# Altium PCB DM2080.PcbDoc (part 1 of 3) (continued)
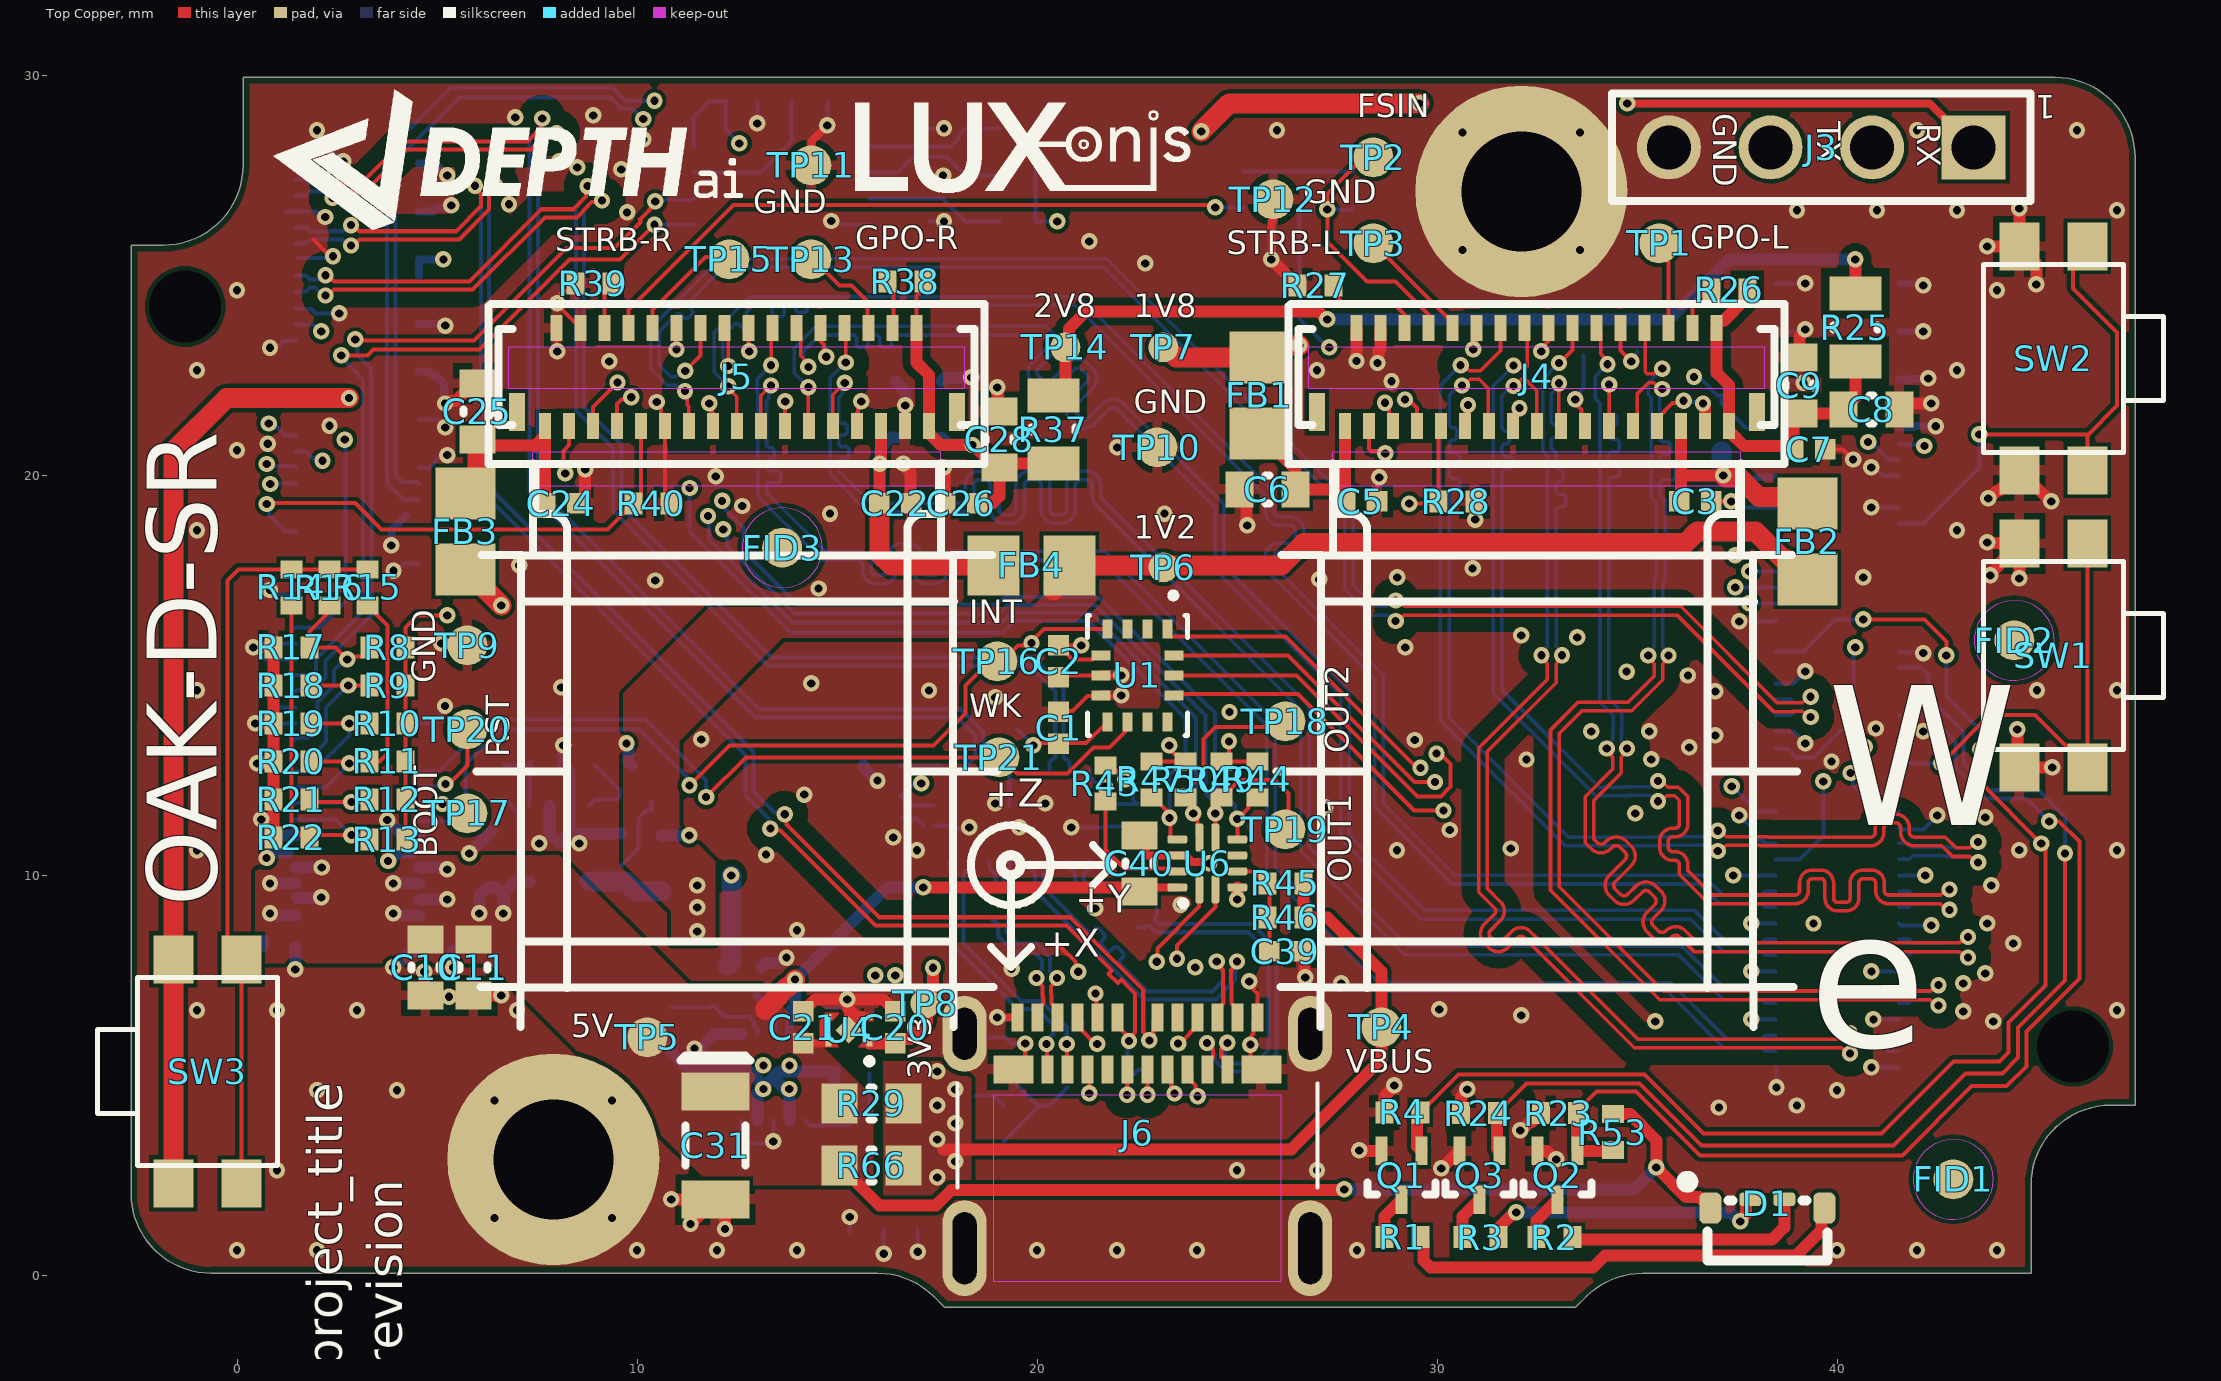
[diagram p0: Top Copper view]
## Components (designator, comment, footprint, x,y, rotation, side; value= is the part's Value field where it differs from the comment) (continued)
MH1 "9774030943R" 9774030943R 32.1,27.1 r45 bottom locked
MH2 "9774030943R" 9774030943R 7.9,2.9 r45 bottom locked
Q1 "RE1C002UNTCL" RE1C002UNTCL 29.1,2.5 r180 top
Q2 "RE1C002UNTCL" RE1C002UNTCL 33,2.5 r180 top
Q3 "RE1C002UNTCL" RE1C002UNTCL 31.05,2.5 r180 top
Q4 "NTJS4151PT1G" ONSC-SC70-6-419B-02_W_V 20.1,2.7 r0 bottom
R1 "1K 0402" RESC0402(1005)_L 29.125,0.954 r0 top
R2 "1K 0402" RESC0402(1005)_L 32.925,0.954 r0 top
R3 "1K 0402" RESC0402(1005)_L 31.075,0.954 r0 top
R4 "100K 0402" RESC0402(1005)_L 29.125,4.075 r180 top
R5 "0R 0402" RESC0402(1005)_L 27.9,27.15 r90 bottom
R6 "0R 0402" RESC0402(1005)_L 25.15,27.15 r90 bottom
R7 "22R 0402" RESC0402(1005)_L 26.55,27.15 r270 bottom
R8 "10K 0402" RESC0402(1005)_L 3.75,15.7 r0 top
R9 "10K 0402" RESC0402(1005)_L 3.75,14.75 r0 top
R10 "10K 0402" RESC0402(1005)_L 3.75,13.8 r0 top
R11 "10K 0402" RESC0402(1005)_L 3.75,12.85 r0 top
R12 "10K 0402" RESC0402(1005)_L 3.75,11.9 r0 top
R13 "10K 0402" RESC0402(1005)_L 3.75,10.9 r0 top
R14 "0R 0402" RESC0402(1005)_L 1.35,17.2 r270 top
R15 "0R 0402" RESC0402(1005)_L 3.25,17.2 r270 top
R16 "0R 0402" RESC0402(1005)_L 2.3,17.2 r270 top
R17 "10K 0402" RESC0402(1005)_L 1.35,15.7 r0 top
R18 "10K 0402" RESC0402(1005)_L 1.35,14.75 r0 top
R19 "10K 0402" RESC0402(1005)_L 1.35,13.8 r0 top
R20 "10K 0402" RESC0402(1005)_L 1.35,12.85 r0 top
R21 "10K 0402" RESC0402(1005)_L 1.35,11.9 r0 top
R22 "10K 0402" RESC0402(1005)_L 1.35,10.95 r0 top
R23 "100K 0402" RESC0402(1005)_L 33.037,4.059 r180 top
R24 "100K 0402" RESC0402(1005)_L 31.037,4.059 r180 top
R25 "0R 0805" RESC0805(2012)_L 40.45,23.7 r270 top
R26 "10K 0402" RESC0402(1005)_L 37.3,24.65 r180 top
R27 "10K 0402" RESC0402(1005)_L 26.95,24.75 r180 top
R28 "10K 0402" RESC0402(1005)_L 30.478,19.35 r0 top
R29 "0R 0603" RESC0603(1608)_N 15.85,4.3 r180 top
R30 "10K 0402" RESC0402(1005)_L 6.5,12.35 r270 bottom
R31 "ERJ-2RKF1782X" RESC0402(1005)_L 10,11.9 r0 bottom
R32 "10K 0402" RESC0402(1005)_L 9.4,12.75 r180 bottom
R33 "RC0402FR-0712KL" RESC0402(1005)_L 15.8,5.5 r90 bottom
R34 "5.11K 0402" RESC0402(1005)_L 15.35,4.25 r180 bottom
R35 "RC0402FR-0726K1L" RESC0402(1005)_L 11.85,7.2 r90 bottom
R36 "RC0402FR-076K19L" RESC0402(1005)_L 10.85,6.25 r270 bottom
R37 "0R 0805" RESC0805(2012)_L 20.4,21.15 r270 top
R38 "10K 0402" RESC0402(1005)_L 16.7,24.85 r180 top
R39 "10K 0402" RESC0402(1005)_L 8.9,24.8 r180 top
R40 "10K 0402" RESC0402(1005)_L 10.35,19.3 r0 top
R41 "10K 0402" RESC0402(1005)_L 15.31,1.54 r90 bottom
R42 "10K 0402" RESC0402(1005)_L 16.1,12.75 r180 bottom
R43 "10K 0402" RESC0402(1005)_L 21.7,12.3 r90 top
R44 "10K 0402" RESC0402(1005)_L 25.5,12.4 r90 top
R45 "1.8MR 0402" RESC0402(1005)_L 26.2,9.8 r180 top
R46 "1.8MR 0402" RESC0402(1005)_L 26.2,8.95 r180 top
R47 "10K 0402" RESC0402(1005)_L 22.85,12.4 r90 top
R48 "0R 0603" RESC0603(1608)_N 22.25,2.45 r270 bottom
R49 "10K 0402" RESC0402(1005)_L 24.6,12.4 r90 top
R50 "10K 0402" RESC0402(1005)_L 23.7,12.4 r90 top
R51 "470R 0402" RESC0402(1005)_L 19.6,4.25 r180 bottom
R52 "17.8K 0402" RESC0402(1005)_L 19.2,5.5 r270 bottom
R53 "100K 0402" RESC0402(1005)_L 34.387,3.584 r270 top
R59 "10K 0402" RESC0402(1005)_L 19.5,28.675 r0 bottom
R60 "10K 0402" RESC0402(1005)_L 19.5,27.5 r0 bottom
R61 "10K 0402" RESC0402(1005)_L 19.5,26.35 r0 bottom
R62 "1K 0402" RESC0402(1005)_L 14.3,29.35 r180 bottom
R63 "10K 0402" RESC0402(1005)_L 17.75,28.675 r0 bottom
R64 "10K 0402" RESC0402(1005)_L 17.75,27.5 r0 bottom
R65 "10K 0402" RESC0402(1005)_L 17.75,26.35 r0 bottom
R66 "0R 0603" RESC0603(1608)_N 15.85,2.75 r180 top
SW1 "434331045822" 434331045822 45.4,15.5 r90 top locked
SW2 "434331045822" 434331045822 45.4,22.925 r90 top locked
SW3 "434331045822" 434331045822 -0.75,5.1 r270 top locked
TP1 "TP100_200_NS" TP100_200_NS 35.55,25.8 r270 top
TP2 "TP100_200_NS" TP100_200_NS 28.4,27.95 r90 top
TP3 "TP100_200_NS" TP100_200_NS 28.4,25.8 r270 top
TP4 "TP100_200_NS" TP100_200_NS 28.6,6.2 r270 top
TP5 "TP100_200_NS" TP100_200_NS 10.25,5.95 r270 top
TP6 "TP075_150_NS" TP075_150_NS 23.15,17.7 r180 top
TP7 "TP075_150_NS" TP075_150_NS 23.15,23.2 r270 top
TP8 "TP075_150_NS" TP075_150_NS 17.2,6.8 r180 top
TP9 "TP100_200_NS" TP100_200_NS 5.75,15.75 r180 top
TP10 "TP100_200_NS" TP100_200_NS 23,20.7 r180 top
TP11 "TP100_200_NS" TP100_200_NS 14.35,27.75 r0 top
TP12 "TP100_200_NS" TP100_200_NS 25.9,26.9 r90 top
TP13 "TP100_200_NS" TP100_200_NS 14.35,25.4 r0 top
TP14 "TP075_150_NS" TP075_150_NS 20.7,23.2 r180 top
TP15 "TP100_200_NS" TP100_200_NS 12.3,25.4 r270 top
TP16 "TP100_200_NS" TP100_200_NS 19,15.35 r270 top
TP17 "TP100_200_NS" TP100_200_NS 5.75,11.55 r270 top
TP18 "TP100_200_NS" TP100_200_NS 26.2,13.85 r0 top
TP19 "TP100_200_NS" TP100_200_NS 26.2,11.15 r0 top
TP20 "TP100_200_NS" TP100_200_NS 5.75,13.65 r270 top
TP21 "TP100_200_NS" TP100_200_NS 19.05,12.95 r270 top
U1 "BMI270" XDCR_BMI270 22.5,15 r270 top
U2 "TLV62080DSG" TLV62080DSG 8.05,10.8 r270 bottom
U3 "TLV75201PDSQR" SON_1PDSQR_TEX 13.4,4.95 r90 bottom
U4 "NCP114AMX330TCG" DQN0004A_V 15.295,6.13 r180 top
U5 "USB Type-C Switch" CBTL02043A 19.55,11.5 r270 bottom
U6 "USB Type-C Port Control" PTN5150H 24.25,10.3 r180 top
U8 "24AA32A-I/MS 8-MSOP" 24AA32A-I/MS 13.6,27.25 r180 bottom

## Footprints (in the part's own frame and the unit in brackets; to place one, negate y for a bottom-side part, rotate by r counter-clockwise, add the part's x,y. Pads: shape width x height; smd on the part's side, far side on the other; paste and mask are expansions set on the pad)
24AA32A-I/MS [mm] "Body: 3 x 3mm, pitch: 0.65mm"
  rect 1.4x0.35 smd mask+0.05: 1(-2.2,0.975)
  oval 1.4x0.35 smd mask+0.05: 2(-2.2,0.325) 3(-2.2,-0.325) 4(-2.2,-0.975) 5(2.2,-0.975) 6(2.2,-0.325) 7(2.2,0.325) 8(2.2,0.975)
  silkscreen extent -2.33,-1.5 1.2,1.72, body extent -2.45,-1.5 2.45,1.5, height 1.15
105450-0101 [mm] "USB3.1 Type-C Molex SMT, RA, TH"
  rect 0.3x0.7 smd mask+0.05: A1(-3,0.65) A2(-2.5,0.65) A3(-2,0.65) A4(-1.5,0.65) A5(-1,0.65) A6(-0.5,0.65) A7(0.5,0.65) A8(1,0.65) A9(1.5,0.65) A10(2,0.65) A11(2.5,0.65) A12(3,0.65) B2(2.25,-0.65) B3(1.75,-0.65) B4(1.25,-0.65) B5(0.75,-0.65) B6(0.25,-0.65) B7(-0.25,-0.65) B8(-0.75,-0.65) B9(-1.25,-0.65) B10(-1.75,-0.65) B11(-2.25,-0.65)
  rect 1x0.7 smd mask+0.05: B1(3.1,-0.65) B12(-3.1,-0.65)
  oval 1.1x1.9 hole 0.6 slot 1.3 at 90 deg mask+0.05: SH1(-4.32,0.24) SH4(4.32,0.24)
  oval 1.1x2.4 hole 0.6 slot 1.8 at 90 deg mask+0.05: SH2(-4.32,-5.12) SH3(4.32,-5.12)
  Top Copper keep-out region: -3.6,-5.95 3.6,-5.95 3.6,-1.3 -3.6,-1.3
  silkscreen extent -4.5,-3.6 4.5,-1, body extent -4.47,-7.02 4.47,0.88, height 3.2
2508056017Y2 [mm] "2508056017Y2 Chip Inductor, 2-Leads, Body 2.00x1.25mm"
  rect 1.3x1.5 smd: 1(-0.95,0) 2(0.95,0)
  body extent -1.1,-0.72 1.1,0.73, height 1.45
9774030943R [mm] "STANDOFF_2.25mmX0.4_3MM with pad on bottom of PCB"
  round 5.3 / inner round 2.7 / far side round 5.3 hole 3 mask+0.05: 1(0,0)
  body extent -2.17,-2.17 2.18,2.17, height 3.05
61300411121 [mm] "Pin Header, pitch 2.54 mm, THT, Vertical, single row, 4p"
  rect 1.6x1.6 hole 1.1: 1(-3.81,0)
  round 1.6 hole 1.1: 2(-1.27,0) 3(1.27,0) 4(3.81,0)
  silkscreen extent -5.23,-1.35 5.23,1.35, body extent -5.08,-1.27 5.08,1.27, height 8.57
434331045822 [mm] "4.7*3.5mm side push type,SMD, height 1.65mm, black actuator, 220gf, T&R"
  rect 1.2x1 smd: 1(2.8,0.85) 2(2.8,-0.85) 3(-2.8,0.85) 4(-2.8,-0.85)
  silkscreen extent -2.35,-2.75 2.35,1.75, body extent -3.2,-2.75 3.2,1.75, height 1.65
AC-PY003-OV9282 [mm] "connector: FH26W-33S-0.3SHW"
  rect 0.4x0.95 smd mask+0.05: 0(-5.488,-8.984) 0(5.512,-8.984)
  rect 0.3x0.65 smd mask+0.05: 1(4.812,-8.634) 2(4.52,-11.084) 3(4.212,-8.634) 4(3.92,-11.084) 5(3.612,-8.634) 6(3.32,-11.084) 7(3.012,-8.634) 8(2.72,-11.084) 9(2.412,-8.634) 10(2.12,-11.084) 11(1.812,-8.634) 12(1.52,-11.084) 13(1.212,-8.634) 14(0.92,-11.084) 15(0.612,-8.634) 16(0.32,-11.084) 17(0.012,-8.634) 18(-0.28,-11.084) 19(-0.588,-8.634) 20(-0.88,-11.084) 21(-1.188,-8.634) 22(-1.48,-11.084) 23(-1.788,-8.634) 24(-2.08,-11.084) 25(-2.388,-8.634) 26(-2.68,-11.084) 27(-2.988,-8.634) 28(-3.28,-11.084) 29(-3.588,-8.634) 30(-3.88,-11.084) 31(-4.188,-8.634) 32(-4.48,-11.084) 33(-4.788,-8.634)
  Top Copper keep-out region: -5.088,-7.981 5.131,-7.981 5.131,-7.138 -5.088,-7.138
  Top Copper keep-out region: -5.688,-10.602 5.73,-10.602 5.73,-9.573 -5.688,-9.573
  Top Copper keep-out region: -4.2,-4.2 4.3,-4.2 4.3,4.2 -4.2,4.2
  silkscreen extent -6.5,-11.68 6.52,6.39, body extent -5.69,-11.43 5.71,5.1, height 5.6
CAPC0201(0603)33_L [mm] "Chip Capacitor, Body 0.6x0.3mm, Height 0.33mm, IPC High Density"
  rect 0.36x0.32 smd: 1(-0.28,0) 2(0.28,0)
  body extent -0.32,-0.17 0.32,0.17, height 0.33
CAPC0402(1005)60_L [mm] "Chip Capacitor, Body 1.0x0.5mm, Height 0.6mm, IPC High Density"
  rect 0.52x0.52 smd: 1(-0.4,0) 2(0.4,0)
  body extent -0.55,-0.3 0.55,0.3, height 0.6
CAPC0402(1005)70_L [mm] "Chip Capacitor, Body 1.0x0.5mm, Height 0.7mm, IPC High Density"
  rect 0.52x0.52 smd: 1(-0.4,0) 2(0.4,0)
  body extent -0.55,-0.3 0.55,0.3, height 0.7
CAPC0603(1608)100_L [mm] "Chip Capacitor, Body 1.6x0.8mm, Height 1.0mm, IPC High Density"
  rect 0.7x0.9 smd: 1(-0.7,0) 2(0.7,0)
  silkscreen extent -0.05,-0.35 0.05,0.35, body extent -0.87,-0.47 0.88,0.48, height 1
CBTL02043A [mm] "VQFN-20"
  rrect20% 0.25x0.6 smd mask+0.07: 1(-0.25,2.15) 10(-0.25,-2.15) 11(0.25,-2.15) 20(0.25,2.15)
  rrect20% 0.6x0.25 smd mask+0.07: 2(-1.15,1.75) 3(-1.15,1.25) 4(-1.15,0.75) 5(-1.15,0.25) 6(-1.15,-0.25) 7(-1.15,-0.75) 8(-1.15,-1.25) 9(-1.15,-1.75) 12(1.15,-1.75) 13(1.15,-1.25) 14(1.15,-0.75) 15(1.15,-0.25) 16(1.15,0.25) 17(1.15,0.75) 18(1.15,1.25) 19(1.15,1.75)
  rrect10% 1x3 smd paste-3 mask+0.07: 21(0,0)
  silkscreen extent -1.25,-2.25 1.25,2.53, body extent -1.25,-2.25 1.25,2.25, height 1
CON_A_SoM-Pro-KB_DF40HC-3.0-100DS-0.4V_minpad [mm] "3.0MM MATED HEIGHT CONN HDR 100POS 0.4MM SMD GOLD"
  rect 0.7x0.18 smd: 1(-19.04,-9.8) 2(-15.96,-9.8) 3(-19.04,-9.4) 4(-15.96,-9.4) 5(-19.04,-9) 6(-15.96,-9) 7(-19.04,-8.6) 8(-15.96,-8.6) 9(-19.04,-8.2) 10(-15.96,-8.2) 11(-19.04,-7.8) 12(-15.96,-7.8) 13(-19.04,-7.4) 14(-15.96,-7.4) 15(-19.04,-7) 16(-15.96,-7) 17(-19.04,-6.6) 18(-15.96,-6.6) 19(-19.04,-6.2) 20(-15.96,-6.2) 21(-19.04,-5.8) 22(-15.96,-5.8) 23(-19.04,-5.4) 24(-15.96,-5.4) 25(-19.04,-5) 26(-15.96,-5) 27(-19.04,-4.6) 28(-15.96,-4.6) 29(-19.04,-4.2) 30(-15.96,-4.2) 31(-19.04,-3.8) 32(-15.96,-3.8) 33(-19.04,-3.4) 34(-15.96,-3.4) 35(-19.04,-3) 36(-15.96,-3) 37(-19.04,-2.6) 38(-15.96,-2.6) 39(-19.04,-2.2) 40(-15.96,-2.2) 41(-19.04,-1.8) 42(-15.96,-1.8) 43(-19.04,-1.4) 44(-15.96,-1.4) 45(-19.04,-1) 46(-15.96,-1) 47(-19.04,-0.6) 48(-15.96,-0.6) 49(-19.04,-0.2) 50(-15.96,-0.2) 51(-19.04,0.2) 52(-15.96,0.2) 53(-19.04,0.6) 54(-15.96,0.6) 55(-19.04,1) 56(-15.96,1) 57(-19.04,1.4) 58(-15.96,1.4) 59(-19.04,1.8) 60(-15.96,1.8) 61(-19.04,2.2) 62(-15.96,2.2) 63(-19.04,2.6) 64(-15.96,2.6) 65(-19.04,3) 66(-15.96,3) 67(-19.04,3.4) 68(-15.96,3.4) 69(-19.04,3.8) 70(-15.96,3.8) 71(-19.04,4.2) 72(-15.96,4.2) 73(-19.04,4.6) 74(-15.96,4.6) 75(-19.04,5) 76(-15.96,5) 77(-19.04,5.4) 78(-15.96,5.4) 79(-19.04,5.8) 80(-15.96,5.8) 81(-19.04,6.2) 82(-15.96,6.2) 83(-19.04,6.6) 84(-15.96,6.6) 85(-19.04,7) 86(-15.96,7) 87(-19.04,7.4) 88(-15.96,7.4) 89(-19.04,7.8) 90(-15.96,7.8) 91(-19.04,8.2) 92(-15.96,8.2) 93(-19.04,8.6) 94(-15.96,8.6) 95(-19.04,9) 96(-15.96,9) 97(-19.04,9.4) 98(-15.96,9.4) 99(-19.04,9.8) 100(-15.96,9.8)
  silkscreen extent -22.5,-15 -16.85,15, body extent -19.19,-11.3 -15.81,11.3, height 2.85
CON_B_BW2099_SoM_DF40HC-3.0-100DS-0.4V_minpad [mm] "3.0MM MATED HEIGHT CONN HDR 100POS 0.4MM SMD GOLD"
  rect 0.7x0.18 smd: 1(17.96,-6.8) 2(21.04,-6.8) 3(17.96,-6.4) 4(21.04,-6.4) 5(17.96,-6) 6(21.04,-6) 7(17.96,-5.6) 8(21.04,-5.6) 9(17.96,-5.2) 10(21.04,-5.2) 11(17.96,-4.8) 12(21.04,-4.8) 13(17.96,-4.4) 14(21.04,-4.4) 15(17.96,-4) 16(21.04,-4) 17(17.96,-3.6) 18(21.04,-3.6) 19(17.96,-3.2) 20(21.04,-3.2) 21(17.96,-2.8) 22(21.04,-2.8) 23(17.96,-2.4) 24(21.04,-2.4) 25(17.96,-2) 26(21.04,-2) 27(17.96,-1.6) 28(21.04,-1.6) 29(17.96,-1.2) 30(21.04,-1.2) 31(17.96,-0.8) 32(21.04,-0.8) 33(17.96,-0.4) 34(21.04,-0.4) 35(17.96,0) 36(21.04,0) 37(17.96,0.4) 38(21.04,0.4) 39(17.96,0.8) 40(21.04,0.8) 41(17.96,1.2) 42(21.04,1.2) 43(17.96,1.6) 44(21.04,1.6) 45(17.96,2) 46(21.04,2) 47(17.96,2.4) 48(21.04,2.4) 49(17.96,2.8) 50(21.04,2.8) 51(17.96,3.2) 52(21.04,3.2) 53(17.96,3.6) 54(21.04,3.6) 55(17.96,4) 56(21.04,4) 57(17.96,4.4) 58(21.04,4.4) 59(17.96,4.8) 60(21.04,4.8) 61(17.96,5.2) 62(21.04,5.2) 63(17.96,5.6) 64(21.04,5.6) 65(17.96,6) 66(21.04,6) 67(17.96,6.4) 68(21.04,6.4) 69(17.96,6.8) 70(21.04,6.8) 71(17.96,7.2) 72(21.04,7.2) 73(17.96,7.6) 74(21.04,7.6) 75(17.96,8) 76(21.04,8) 77(17.96,8.4) 78(21.04,8.4) 79(17.96,8.8) 80(21.04,8.8) 81(17.96,9.2) 82(21.04,9.2) 83(17.96,9.6) 84(21.04,9.6) 85(17.96,10) 86(21.04,10) 87(17.96,10.4) 88(21.04,10.4) 89(17.96,10.8) 90(21.04,10.8) 91(17.96,11.2) 92(21.04,11.2) 93(17.96,11.6) 94(21.04,11.6) 95(17.96,12) 96(21.04,12) 97(17.96,12.4) 98(21.04,12.4) 99(17.96,12.8) 100(21.04,12.8)
  silkscreen extent 16.75,-15.04 22.53,15, body extent 17.81,-8.3 21.19,14.3, height 2.85
DFE252012P-1R0M=P2 [mm] "Chip Inductor, 2-Leads, Body 2.40x2.00mm, IPC High Density"
  rect 0.8x2 smd: 1(-1,0) 2(1,0)
  silkscreen extent -0.05,-0.9 0.05,0.9, body extent -1.25,-1.1 1.25,1.1, height 1.2
DQN0004A_V [mm] "SON, Body 1.05x1.05mm, Pitch 0.65mm"
  rect 0.15x0.15 smd mask+0: 1(-0.505,0.33) 2(-0.505,-0.33) 3(0.515,-0.33)
  rect 0.15x0.15 smd paste+0 mask+0: 4(0.515,0.33)
  rect 0.48x0.48 smd rot 45 mask+0.05: 5(0.005,0)
  Top Copper region: 0.255,-0.43 0.615,-0.43 0.615,-0.22 0.435,-0.22 0.255,-0.4
  Top Copper region: -0.245,0.43 -0.605,0.43 -0.605,0.22 -0.425,0.22 -0.245,0.4
  Top Copper region: -0.245,-0.43 -0.605,-0.43 -0.605,-0.22 -0.425,-0.22 -0.245,-0.4
  Top Copper region: 0.255,0.43 0.615,0.43 0.615,0.22 0.435,0.22 0.255,0.4
  silkscreen extent -0.53,0.75 -0.48,0.8, body extent -0.5,-0.5 0.5,0.5, height 0.34
EASV3015RGBA0 [mm]
  rrect50% 0.55x0.78 smd mask+0.05: 1(1.425,0.11) 4(-1.425,0.11)
  rrect50% 0.55x0.34 smd mask+0.05: 2(0.425,-0.11) 3(-0.425,-0.11)
  silkscreen extent -1.5,-0.67 2.12,1.43, body extent -1.5,-0.07 1.5,1.43, height 1
FIDUCIAL_ROUND_1MM [mm] "Round, 1mm dia"
  round 1 smd paste-1 mask+0.5: 1(0,0)
  Top Copper keep-out circle w0.025: c0,0 r1
ONSC-SC70-6-419B-02_W_V [mm] "SOT23, 6-Leads, Body 2x1.25mm, Pitch 0.65mm"
  rect 0.5x0.4 smd: 1(-0.95,0.65) 2(-0.95,0) 3(-0.95,-0.65) 4(0.95,-0.65) 5(0.95,0) 6(0.95,0.65)
  silkscreen extent -1.07,-1 0.3,1.52, body extent -1.05,-1 1.05,1, height 1.08
PTN5150H [mm] "X2QFN-12 1.6x1.6"
  rrect50% 0.2x0.7 smd mask+0.05: 1(0.2,0.65) 2(-0.2,0.65) 7(-0.2,-0.65) 8(0.2,-0.65)
  rrect50% 0.5x0.2 smd mask+0.05: 3(-0.75,0.6) 4(-0.75,0.2) 5(-0.75,-0.2) 6(-0.75,-0.6) 9(0.75,-0.6) 10(0.75,-0.2) 11(0.75,0.2) 12(0.75,0.6)
  silkscreen extent 0.57,0.97 0.63,1.03, body extent -0.8,-0.8 0.8,0.8, height 0.4
RE1C002UNTCL [mm] "ROHM SOT-416FL"
  rect 0.3x0.71 smd: 1(-0.5,-0.61) 2(0.5,-0.61) 3(0,0.61)
  silkscreen extent -0.85,0.18 0.85,0.48, body extent -0.8,-0.8 0.8,0.8, height 0.75
RESC0402(1005)_L [mm] "Chip Resistor, Body 1.0x0.5mm, IPC High Density"
  rect 0.45x0.55 smd: 1(-0.45,0) 2(0.45,0)
  body extent -0.52,-0.27 0.53,0.28, height 0.4
RESC0603(1608)_N [mm] "Chip Resistor, Body 1.6x0.8mm, IPC Medium Density"
  rect 0.9x1 smd: 1(-0.8,0) 2(0.8,0)
  silkscreen extent -0.05,-0.4 0.05,0.4, body extent -0.85,-0.47 0.85,0.47, height 0.6
RESC0805(2012)_L [mm] "Chip Resistor, Body 2.0x1.3mm, IPC High Density"
  rect 0.85x1.3 smd: 1(-0.85,0) 2(0.85,0)
  silkscreen extent -0.05,-0.55 0.05,0.55, body extent -1.1,-0.67 1.1,0.68, height 0.7
RESTL1206(3216)_L [mm] "Chip Resistor, Body 3.2x1.6mm, IPC High Density"
  rect 0.95x1.7 smd: 1(-1.35,0) 2(1.35,0)
  silkscreen extent -2.25,-0.88 0.5,0.88, body extent -1.67,-0.87 1.67,0.87, height 1.8
SON_1PDSQR_TEX [mil]
  rect 22x10 smd paste+0 mask+0: 1(-42.5,31.5) 2(-42.5,15.75) 3(-42.5,0) 4(-42.5,-15.75) 5(-42.5,-31.5) 6(42.5,-31.5) 7(42.5,-15.75) 8(42.5,0) 9(42.5,15.75) 10(42.5,31.5)
  rect 39x63 smd paste+0 mask+0: 11(0,0)
  silkscreen extent -68,-46 23,46, body extent -39,-39 39,39, height 31
TLV62080DSG [mm] "WSON-8, 2.1mm x 2.1mm x 0.8mm"
  rect 0.5x0.28 smd mask+0.102: 1(-0.95,0.75) 2(-0.95,0.25) 3(-0.95,-0.25) 4(-0.95,-0.75) 5(0.95,-0.75) 6(0.95,-0.25) 7(0.95,0.25) 8(0.95,0.75)
  rect 0.9x1.6 smd mask+0.102: 9(0,0)
  silkscreen extent -1.4,1.07 -1.35,1.13, body extent -1.05,-1.05 1.05,1.05, height 0.8
TP075_150_NS [mm] "0.75mm dia pad, 1.5mm dia clearance, no silk screen"
  round 0.75 smd paste-2: 1(0,0)
TP100_200_NS [mm] "1mm dia pad, 2mm dia clearance, no silk screen"
  round 1 smd paste-2: 1(0,0)
XDCR_BMI270 [mm]
  rect 0.475x0.25 smd: 1(-1.162,0.75) 2(-1.162,0.25) 3(-1.162,-0.25) 4(-1.162,-0.75) 8(1.162,-0.75) 9(1.162,-0.25) 10(1.162,0.25) 11(1.162,0.75)
  rect 0.25x0.475 smd: 5(-0.5,-0.913) 6(0,-0.913) 7(0.5,-0.913) 12(0.5,0.913) 13(0,0.913) 14(-0.5,0.913)
  silkscreen extent -2.07,-1.25 1.5,1.25, body extent -1.5,-1.25 1.5,1.25, height 0.87

## Part data
C1 C2 C3 C5 C7 C15 C22 C24 C26 C61: library part GRM155R71A104JA01D, "CAP CER 0.1UF 10V X7R 0402 5%", Capacitance=100nF, Case Code (Imperial)=0402, Case Code (Metric)=1005, Dielectric=X7R, Manufacturer 1=Murata, Max Operating Temperature=125°C, Min Operating Temperature=-55°C, Package Quantity=10000, Supplier Part Number 1=490-10777-1-ND, Tolerance=5%, Voltage Rating=10V, Case/Package=0402, ComponentLink1Description=https://datasheet.ciiva.com/5411/product-5411135.pdf?src-supplier=Mouser, ComponentLink1URL=https://datasheet.ciiva.com/5411/product-5411135.pdf?src-supplier=Mouser, ComponentLink2Description=https://datasheet.ciiva.com/11618/c02e-11618821.pdf?src-supplier=Avnet, ComponentLink2URL=https://datasheet.ciiva.com/11618/c02e-11618821.pdf?src-supplier=Avnet, Depth=0.5mm, Height=0.5mm, Lead Free="Lead Free", Length=1mm, Manufacturer Part Number 1=GRM155R71A104JA01D, Mount="Surface Mount", Packaging="Tape and Reel", Pricing 1="1=0.10000, 10=0.02500, 100=0.01130, 500=0.00806, 1000=0.00633, 2500=0.00575, 5000=0.00529 (USD)", Radiation Hardening=No, RoHS=Yes, Stock 1=1346709, Supplier 1=Digi-Key, Termination=SMD/SMT, Thickness=0.022inch, Voltage Rating (DC)=10V, Width=0.02inch
C4 C6 C8 C12 C23 C25 C27: library part GRM188R61A106ME69D, "CAP CER 10UF 10V X5R 0603 20%", Capacitance=10uF, Case Code (Imperial)=0603, Case Code (Metric)=1608, Dielectric=X5R, Manufacturer 1=Murata, Max Operating Temperature=85°C, Min Operating Temperature=-55°C, Package Quantity=4000, Supplier Part Number 1=490-10475-1-ND, Tolerance=20%, Voltage Rating=10V, Case/Package=0603, ComponentLink1Description=http://www.mouser.com/ds/2/281/c02e-2905.pdf?src-supplier=Mouser, ComponentLink1URL=http://www.mouser.com/ds/2/281/c02e-2905.pdf?src-supplier=Mouser, ComponentLink2Description=http://components.arrow.com/part/dataview/0323_06119472?src-supplier=Arrow+Europe, ComponentLink2URL=http://components.arrow.com/part/dataview/0323_06119472?src-supplier=Arrow+Europe, ComponentLink3Description=http://www.farnell.com/datasheets/2048014.pdf?src-supplier=Farnell, ComponentLink3URL=http://www.farnell.com/datasheets/2048014.pdf?src-supplier=Farnell, ComponentLink4Description=http://www.farnell.com/datasheets/1872210.pdf?src-supplier=Farnell, ComponentLink4URL=http://www.farnell.com/datasheets/1872210.pdf?src-supplier=Farnell, ComponentLink5Description=http://search.murata.co.jp/Ceramy/image/img/A01X/G101/ENG/GRM188R61A106ME69-01.pdf?src-supplier=Digi-Key, ComponentLink5URL=http://search.murata.co.jp/Ceramy/image/img/A01X/G101/ENG/GRM188R61A106ME69-01.pdf?src-supplier=Digi-Key, ComponentLink6Description=http://www.farnell.com/datasheets/1872210.pdf?src-supplier=Newark, ComponentLink6URL=http://www.farnell.com/datasheets/1872210.pdf?src-supplier=Newark, ComponentLink7Description=http://www.farnell.com/datasheets/2048014.pdf?src-supplier=Element14, ComponentLink7URL=http://www.farnell.com/datasheets/2048014.pdf?src-supplier=Element14, ComponentLink8Description=http://www.farnell.com/datasheets/2048014.pdf?src-supplier=Newark, ComponentLink8URL=http://www.farnell.com/datasheets/2048014.pdf?src-supplier=Newark, Depth=0.8mm, Height=0.8mm, Lead Free="Lead Free", Length=1.6mm, Manufacturer Part Number 1=GRM188R61A106ME69D, Material=Ceramic, Mount="Surface Mount", Packaging="Tape and Reel", Pricing 1="1=0.21000, 10=0.14100, 100=0.07130, 500=0.04876, 1000=0.04313 (USD)", REACH SVHC=Unknown, RoHS=Yes, Stock 1=2873098, Supplier 1=Digi-Key, Termination=SMD/SMT, Thickness=0.035inch, Voltage Rating (DC)=10V, Weight=0.000222oz, Width=0.8mm
C9 C28: library part GRM1885C1H102FA01D, "CAP CER 1000PF 50V C0G/NP0 0603", Capacitance=1nF, Case Code (Imperial)=0603, Case Code (Metric)=1608, Dielectric=C0G, Manufacturer=Murata, Max Operating Temperature=125°C, Min Operating Temperature=-55°C, Package Quantity=4000, Supplier Part Number 1=490-6376-1-ND, Temperature Coefficient=30ppm/°C, Tolerance=1%, Voltage=50V, Case/Package=0603, ComponentLink1Description=https://datasheet.ciiva.com/6072/1747444-6072454.pdf?src-supplier=Farnell, ComponentLink1URL=https://datasheet.ciiva.com/6072/1747444-6072454.pdf?src-supplier=Farnell, ComponentLink2Description=https://datasheet.ciiva.com/7828/1747444-7828892.pdf?src-supplier=Element14, ComponentLink2URL=https://datasheet.ciiva.com/7828/1747444-7828892.pdf?src-supplier=Element14, ComponentLink3Description=https://datasheet.ciiva.com/11621/c02e-11621692.pdf?src-supplier=Avnet, ComponentLink3URL=https://datasheet.ciiva.com/11621/c02e-11621692.pdf?src-supplier=Avnet, ComponentLink4Description=https://datasheet.ciiva.com/16624/c02e-16624140.pdf?src-supplier=Avnet+Europe, ComponentLink4URL=https://datasheet.ciiva.com/16624/c02e-16624140.pdf?src-supplier=Avnet+Europe, ComponentLink5Description=https://datasheet.ciiva.com/22698/1747444-22698428.pdf?src-supplier=Element14, ComponentLink5URL=https://datasheet.ciiva.com/22698/1747444-22698428.pdf?src-supplier=Element14, ComponentLink6Description=https://datasheet.ciiva.com/5416/c02e-5416637.pdf?src-supplier=Mouser, ComponentLink6URL=https://datasheet.ciiva.com/5416/c02e-5416637.pdf?src-supplier=Mouser, ComponentLink7Description=https://datasheet.ciiva.com/6270/partnumbering-e-01-6270573.pdf?src-supplier=Digi-Key, ComponentLink7URL=https://datasheet.ciiva.com/6270/partnumbering-e-01-6270573.pdf?src-supplier=Digi-Key, ComponentLink8Description=https://datasheet.ciiva.com/6270/partnumbering-e-01-6270574.pdf?src-supplier=Digi-Key, ComponentLink8URL=https://datasheet.ciiva.com/6270/partnumbering-e-01-6270574.pdf?src-supplier=Digi-Key, ComponentLink9Description=https://datasheet.ciiva.com/6270/partnumbering-e-01-6270575.pdf?src-supplier=Digi-Key, ComponentLink9URL=https://datasheet.ciiva.com/6270/partnumbering-e-01-6270575.pdf?src-supplier=Digi-Key, ComponentLink10Description=https://datasheet.ciiva.com/16426/l0005e-16426367.pdf?src-supplier=Future+Electronics, ComponentLink10URL=https://datasheet.ciiva.com/16426/l0005e-16426367.pdf?src-supplier=Future+Electronics, Depth=0.8mm, Height=0.8mm, Lead Free="Lead Free", Length=1.6mm, Manufacturer 1=Murata, Manufacturer Part Number=GRM1885C1H102FA01D, Manufacturer Part Number 1=GRM1885C1H102FA01D, Material=Ceramic, Mount="Surface Mount", Number of Pins=2, Packaging="Tape and Reel", Pricing 1="1=0.19000, 10=0.13300, 100=0.06260, 500=0.04386, 1000=0.03631 (USD)", Radiation Hardening=No, REACH SVHC="No SVHC", RoHS=Yes, Stock 1=343900, Supplier 1=Digi-Key, Termination=SMD/SMT, Thickness=0.035inch, Voltage Rating=50V, Voltage Rating (DC)=50V, Width=0.031inch